# KiCad board mainboard.stretch_bkup.kicad_pcb (continued)
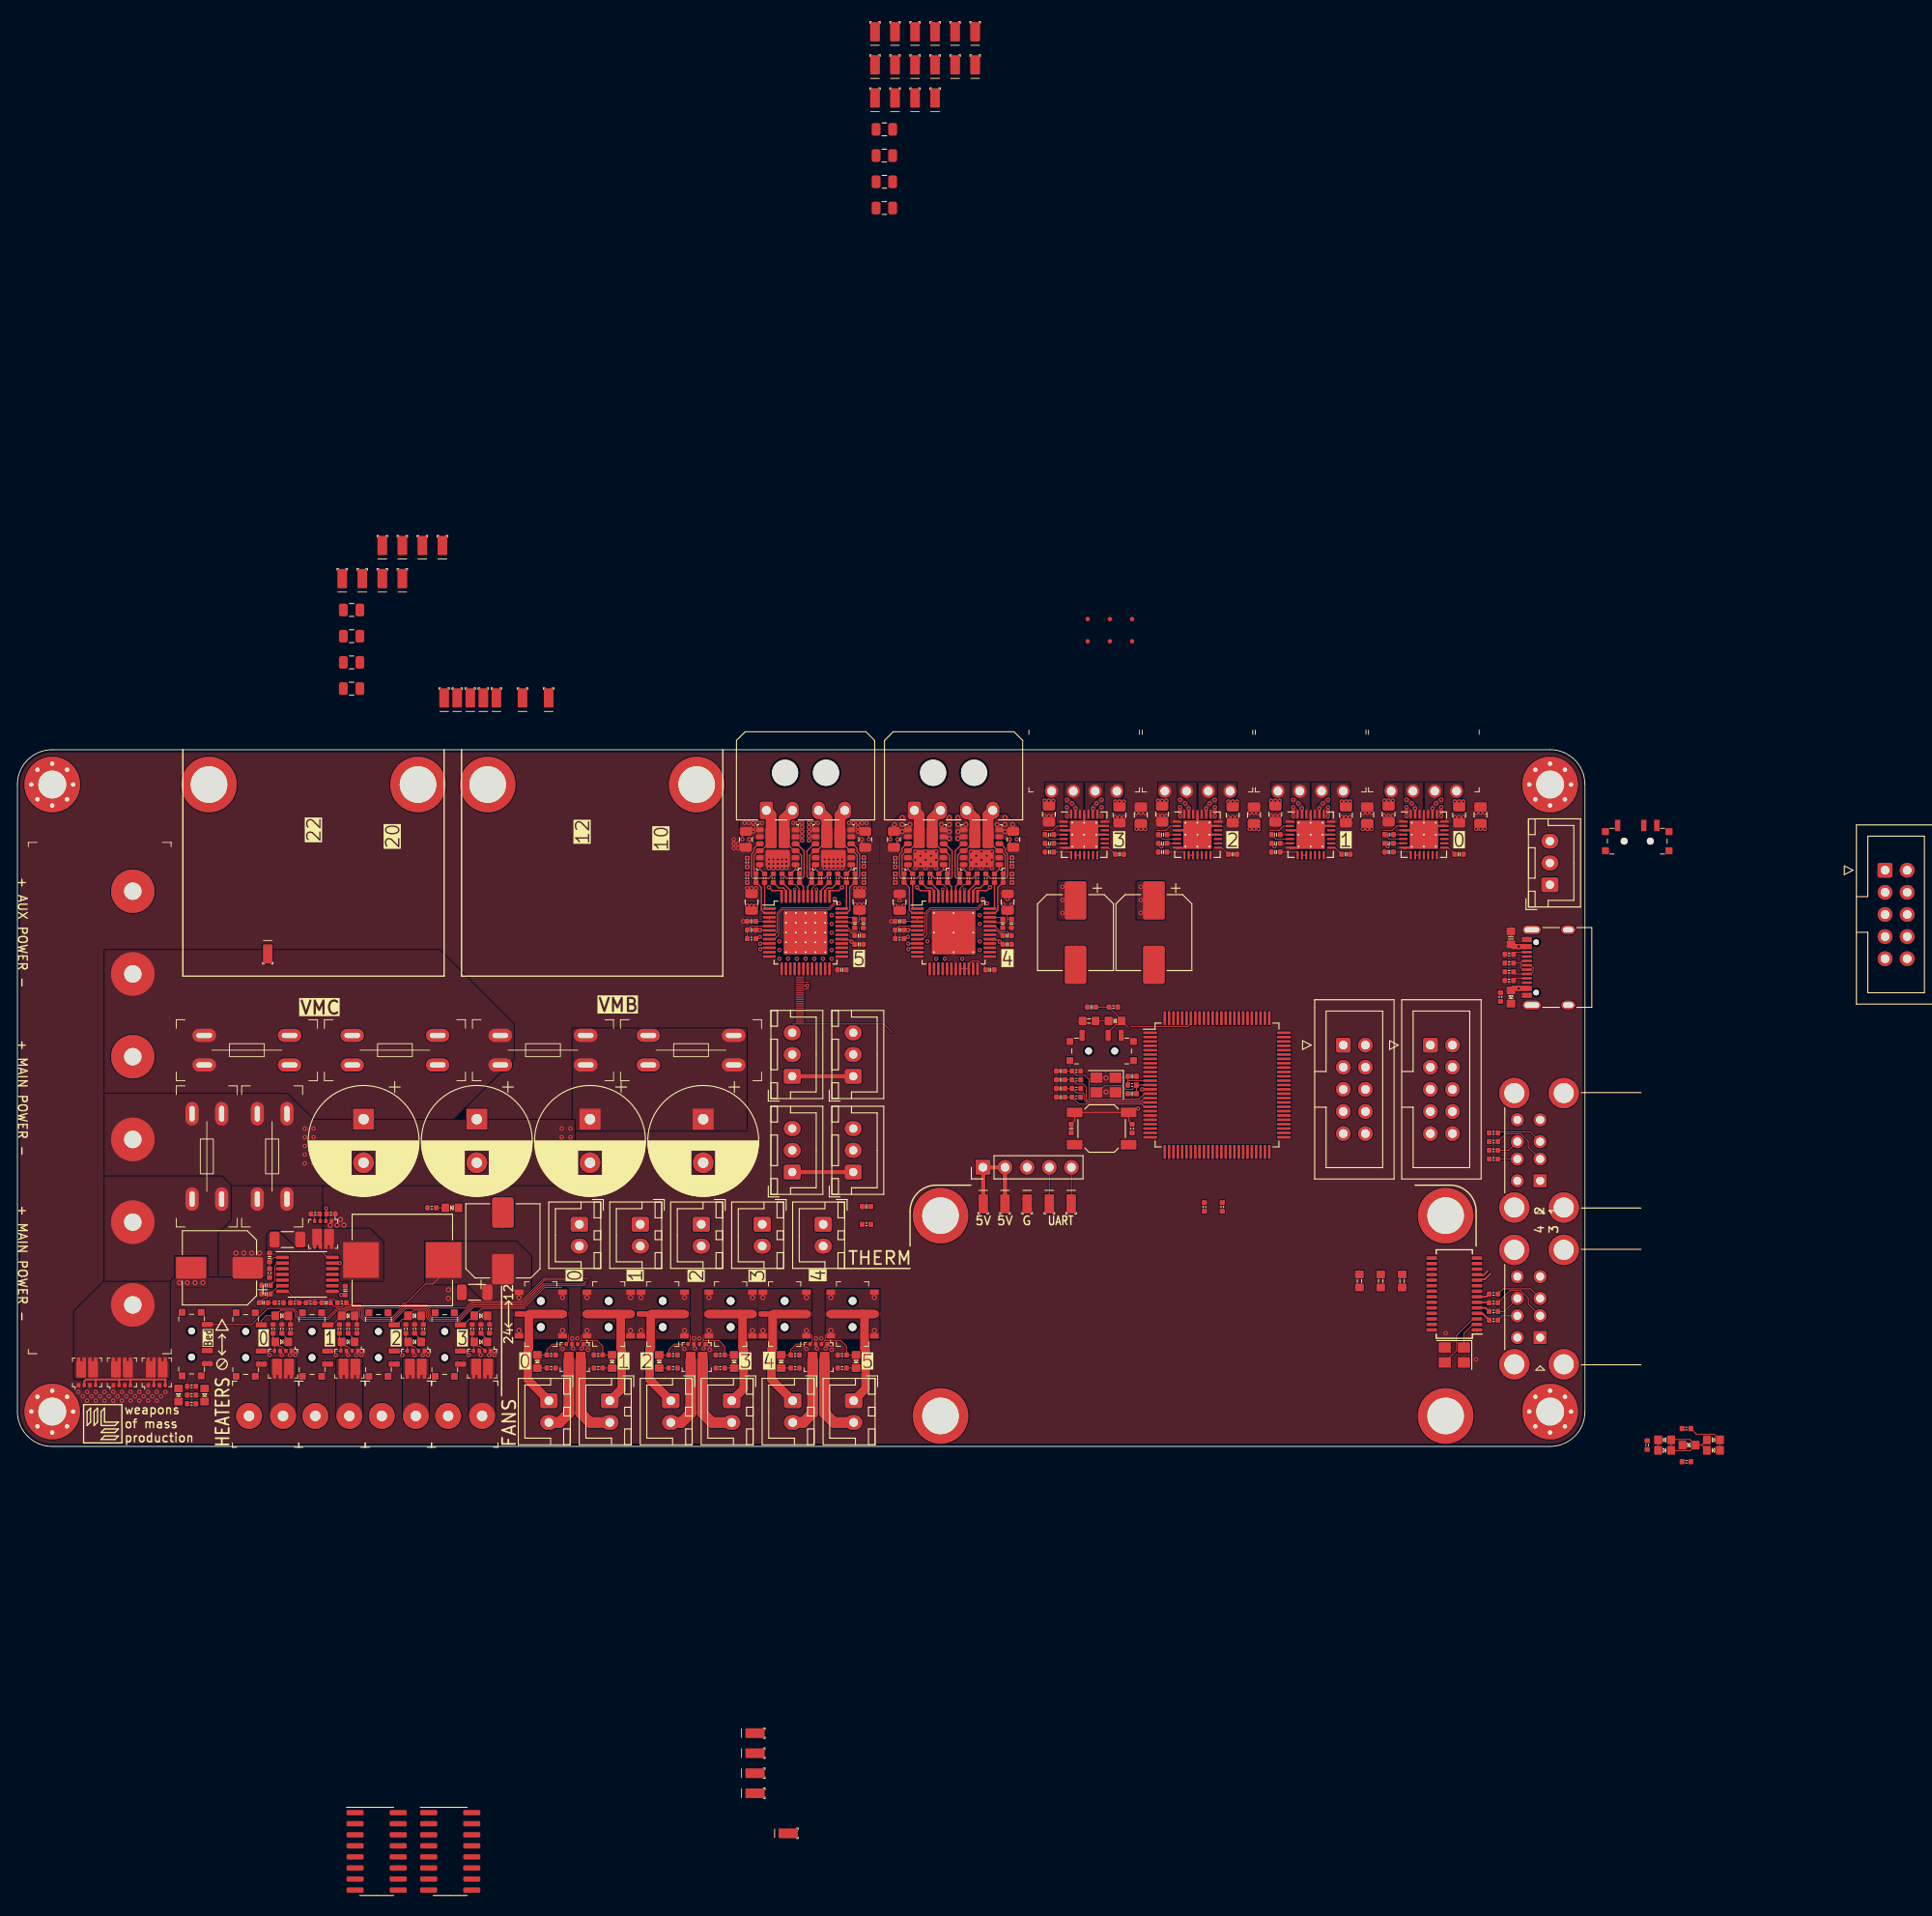
[diagram p0: board, top side]
## Library data of the parts
C1-C5 C15 C21 C34-C71 C73-C77 C79 C80 = -: Description: Unpolarized capacitor, small symbol
C6-C9 C27 C33 = -: Description: Polarized capacitor, small US symbol; Field4: C310848
C10 C12 C16 C18 C22 C24 C28 C30 = -: Description: Unpolarized capacitor, small symbol; LCSC: C1525
C11 C17 C23 C29 = -: Description: Unpolarized capacitor, small symbol; LCSC: C19666
C13 C19 C25 C31 = -: Description: Unpolarized capacitor, small symbol; LCSC: C1532
C14 C20 C26 C32 = -: Description: Unpolarized capacitor, small symbol; LCSC: C15849
C72 C78 = -: Description: Polarized capacitor, small US symbol; LCSC: C178598
D1-D24 = -: Description: Light emitting diode, small symbol
F6 = -: Description: Fuse
FID1-FID6 = -: Description: Fiducial Marker
H1-H4 = -: Description: Mounting Hole without connection
H5 H6 H9-H14 = -: Description: Mounting Hole with connection
J1 = -: Description: USB 2.0-only Type-C Receptacle connector
J2 = -: Description: Generic connector, single row, 01x05, script generated
J3-J6 J24 = -: Description: Generic connector, single row, 01x03, script generated
J7 J8 J12 J14-J16 J23 J25-J28 = -: Description: Generic connector, single row, 01x02, script generated
J9 = -: Description: Generic screw terminal, single row, 01x06, script generated (kicad-library-utils/schlib/autogen/connector/)
J10 J11 J22 = -: Description: Generic connector, double row, 02x05, odd/even pin numbering scheme (row 1 odd numbers, row 2 even numbers), script generated (kicad-library-utils/schlib/autogen/connector/)
J13 J21 = -: Description: USB Type A connector, stacked
J17-J20 = -: Description: Generic screw terminal, single row, 01x02, script generated (kicad-library-utils/schlib/autogen/connector/)
L1 = -: Description: Inductor
M1-M6 = -: Description: 4-wire bipolar stepper motor
Q1-Q11 = -: Description: Dual NMOS transistor, 8 pin package
QA1 QA2 QB1 QB2 = -: LCSC: C460986
R1-R10 R19-R23 R25-R30 R32-R38 R40-R45 R47-R98 R101-R105 = -: Description: Resistor, small symbol
R11-R18 = -: Description: Resistor, small symbol; LCSC: C382279
R24 R31 R39 R46 = -: Description: Resistor
SW1 SW3-SW14 = -: Description: Switch, single pole double throw
SW2 = -: Description: Push button switch, generic, two pins
T1 T4-T13 T16-T29 T32 T33 T36-T50 = -: Description: test point
U1 = -: Description: STMicroelectronics Arm Cortex-M4 MCU, 1024KB flash, 192KB RAM, 168 MHz, 1.8-3.6V, 82 GPIO, LQFP100
U2-U5 = -: Description: Driver for two-phase bipolar stepper motor, 2.0A, SPI, 4.75-46V, QFN-36; LCSC: C115944
U6 U7 = -: Description: 20A Driver for two-phase bipolar stepper motor, SPI, UART, TQFP-48
U8 U9 = -: Description: CMOS Hex Voltage-Level Shifter for TTL-to-CMOS or CMOS-to-CMOS, DIP-16/SOIC-16/TSSOP-16
U10 = -: Description: Terminus Tech USB 2.0 high-speed 4-port hub controller
U11 = -: Description: Onsemi Synchronous PWM Controller
Y1 = -: Description: Four pin crystal, GND on pins 2 and 4
Y2 = -: Description: Four pin crystal, GND on pins 2 and 4, small symbol

## Footprints (pads in the part's own frame, mm; a bottom-side part is the same pattern mirrored in y, then rotated)
0402C
  rrect 0.55x0.6 smd: 1(-0.5,0) 2(0.5,0)
0402R
  rrect 0.55x0.6 smd: 1(-0.5,0) 2(0.5,0)
0603C
  rrect 0.9x1 smd: 1(-0.75,0) 2(0.75,0)
0603LED
  rrect 0.9x1 smd: 1(-0.75,0) 2(0.75,0)
0603R
  rrect 0.9x1 smd: 1(-0.75,0) 2(0.75,0)
AGM308MBP
  rrect 0.4x0.5 smd: 1(-0.975,-1.475) 2(-0.325,-1.475) 3(0.325,-1.475) 4(0.975,-1.475) 5(0.975,1.475) 6(0.325,1.475) 7(-0.325,1.475) 8(-0.975,1.475)
  rrect 1.12x1.88 smd: 5(0.685,0.35) 8(-0.685,0.35)
  rect 0.2x0.2 smd: 6(0.225,1.25) 7(-0.225,1.25)
C_0805_2012Metric
  rrect 1x1.45 smd: 1(-0.95,0) 2(0.95,0)
C_1206_3216Metric
  rrect 1.15x1.8 smd: 1(-1.475,0) 2(1.475,0)
CP_Elec_8x10
  rrect 3.5x2.5 smd: 1(-3.25,0) 2(3.25,0)
CP_Elec_8x10.5
  rrect 4.4x2.5 smd: 1(-3.7,0) 2(3.7,0)
CP_Radial_D12.5mm_P5.00mm
  rect 2.4x2.4 hole 1.2: 1(0,0)
  round 2.4 hole 1.2: 2(5,0)
Crystal_SMD_3225-4Pin_3.2x2.5mm
  rect 1.4x1.2 smd: 1(-1.1,-0.85) 2(1.1,-0.85) 3(1.1,0.85) 4(-1.1,0.85)
DB125-3.81-2P
  round 3 hole 1.2: 1(-1.905,0) 2(2,0)
DBT50G-9.5-6P
  round 5 hole 2: 1(-23.75,0) 2(-14.25,0) 3(-4.75,0) 4(4.75,0) 5(14.25,0) 6(23.75,0)
Fiducial_0.5mm_Mask1mm
  round 0.5 smd: (0,0)
IDC-Header_2x05_P2.54mm_Vertical
  rrect 1.7x1.7 hole 1: 1(0,0)
  round 1.7 hole 1: 2(2.54,0) 3(0,-2.54) 4(2.54,-2.54) 5(0,-5.08) 6(2.54,-5.08) 7(0,-7.62) 8(2.54,-7.62) 9(0,-10.16) 10(2.54,-10.16)
JST_XH_B2B-XH-A_1x02_P2.50mm_Vertical
  rrect 1.7x2 hole 1: 1(0,0)
  oval 1.7x2 hole 1: 2(2.5,0)
JST_XH_B3B-XH-A_1x03_P2.50mm_Vertical
  rrect 1.7x1.95 hole 0.95: 1(0,0)
  oval 1.7x1.95 hole 0.95: 2(2.5,0) 3(5,0)
L_Sunlord_MWSA1004S
  rect 4.1x4.1 smd: 1(-4.75,0) 2(4.75,0)
LGA_Spring
  rrect 0.9x0.9 smd: (0,0) (0,-1.1)
  rrect 1.1x2.2 smd: 1(0,0)
LQFP-100_14x14mm_P0.5mm
  rrect 1.6x0.3 smd: 1(-7.675,6) 2(-7.675,5.5) 3(-7.675,5) 4(-7.675,4.5) 5(-7.675,4) 6(-7.675,3.5) 7(-7.675,3) 8(-7.675,2.5) 9(-7.675,2) 10(-7.675,1.5) 11(-7.675,1) 12(-7.675,0.5) 13(-7.675,0) 14(-7.675,-0.5) 15(-7.675,-1) 16(-7.675,-1.5) 17(-7.675,-2) 18(-7.675,-2.5) 19(-7.675,-3) 20(-7.675,-3.5) 21(-7.675,-4) 22(-7.675,-4.5) 23(-7.675,-5) 24(-7.675,-5.5) 25(-7.675,-6) 51(7.675,-6) 52(7.675,-5.5) 53(7.675,-5) 54(7.675,-4.5) 55(7.675,-4) 56(7.675,-3.5) 57(7.675,-3) 58(7.675,-2.5) 59(7.675,-2) 60(7.675,-1.5) 61(7.675,-1) 62(7.675,-0.5) 63(7.675,0) 64(7.675,0.5) 65(7.675,1) 66(7.675,1.5) 67(7.675,2) 68(7.675,2.5) 69(7.675,3) 70(7.675,3.5) 71(7.675,4) 72(7.675,4.5) 73(7.675,5) 74(7.675,5.5) 75(7.675,6)
  rrect 0.3x1.6 smd: 26(-6,-7.675) 27(-5.5,-7.675) 28(-5,-7.675) 29(-4.5,-7.675) 30(-4,-7.675) 31(-3.5,-7.675) 32(-3,-7.675) 33(-2.5,-7.675) 34(-2,-7.675) 35(-1.5,-7.675) 36(-1,-7.675) 37(-0.5,-7.675) 38(0,-7.675) 39(0.5,-7.675) 40(1,-7.675) 41(1.5,-7.675) 42(2,-7.675) 43(2.5,-7.675) 44(3,-7.675) 45(3.5,-7.675) 46(4,-7.675) 47(4.5,-7.675) 48(5,-7.675) 49(5.5,-7.675) 50(6,-7.675) 76(6,7.675) 77(5.5,7.675) 78(5,7.675) 79(4.5,7.675) 80(4,7.675) 81(3.5,7.675) 82(3,7.675) 83(2.5,7.675) 84(2,7.675) 85(1.5,7.675) 86(1,7.675) 87(0.5,7.675) 88(0,7.675) 89(-0.5,7.675) 90(-1,7.675) 91(-1.5,7.675) 92(-2,7.675) 93(-2.5,7.675) 94(-3,7.675) 95(-3.5,7.675) 96(-4,7.675) 97(-4.5,7.675) 98(-5,7.675) 99(-5.5,7.675) 100(-6,7.675)
M3_M2.5_PCB_Nut
  round 4.5 hole 4.2: 1(0,0)
  round 6.4 smd: 1(0,0)
Molex_Micro-Fit_3.0_43650-0400_1x04_P3.00mm_Horizontal
  round 3 hole 3 unplated: (2.15,4.32) (6.85,4.32)
  rrect 1.5x2.02 hole 1.02: 1(0,0)
  oval 1.5x2.02 hole 1.02: 2(3,0) 3(6,0) 4(9,0)
MountingHole_3.2mm_M3_Pad_Via
  round 0.8 hole 0.5: 1(-2.4,0) 1(-1.697,1.697) 1(-1.697,-1.697) 1(0,2.4) 1(0,-2.4) 1(1.697,1.697) 1(1.697,-1.697) 1(2.4,0)
  round 6.4 hole 3.2: 1(0,0)
MS-22C01_SPDT
  round 1 hole 0.9 unplated: (0,1.5) (0,-1.5)
  rrect 1x0.6 smd: 1(-2.5,2.5) 1(2.5,2.5) 2(-2.5,0) 2(2.5,0) 3(-2.5,-2.5) 3(2.5,-2.5)
MSS12C02-LS
  rrect 0.8x0.8 smd: (-3.65,1.1) (-3.65,-1.1) (3.65,1.1) (3.65,-1.1)
  round 0.9 hole 0.8 unplated: (-1.5,0) (1.5,0)
  rrect 0.6x1.3 smd: 1(-2.25,1.8) 2(0.75,1.8) 3(2.25,1.8)
PinHeader_1x05_P2.54mm_Vertical
  rect 1.7x1.7 hole 1: 1(0,0)
  oval 1.7x1.7 hole 1: 2(0,-2.54) 3(0,-5.08) 4(0,-7.62) 5(0,-10.16)
R_0805_2012Metric
  rrect 1.025x1.4 smd: 1(-0.912,0) 2(0.912,0)
SOIC-16_3.9x9.9mm_P1.27mm
  rrect 1.95x0.6 smd: 1(-2.475,4.445) 2(-2.475,3.175) 3(-2.475,1.905) 4(-2.475,0.635) 5(-2.475,-0.635) 6(-2.475,-1.905) 7(-2.475,-3.175) 8(-2.475,-4.445) 9(2.475,-4.445) 10(2.475,-3.175) 11(2.475,-1.905) 12(2.475,-0.635) 13(2.475,0.635) 14(2.475,1.905) 15(2.475,3.175) 16(2.475,4.445)
SSOP-28_3.9x9.9mm_P0.635mm
  rect 1.2x0.4 smd: 1(-2.6,4.128) 2(-2.6,3.493) 3(-2.6,2.857) 4(-2.6,2.223) 5(-2.6,1.587) 6(-2.6,0.953) 7(-2.6,0.318) 8(-2.6,-0.318) 9(-2.6,-0.953) 10(-2.6,-1.587) 11(-2.6,-2.223) 12(-2.6,-2.857) 13(-2.6,-3.493) 14(-2.6,-4.128) 15(2.6,-4.128) 16(2.6,-3.493) 17(2.6,-2.857) 18(2.6,-2.223) 19(2.6,-1.587) 20(2.6,-0.953) 21(2.6,-0.318) 22(2.6,0.318) 23(2.6,0.953) 24(2.6,1.587) 25(2.6,2.223) 26(2.6,2.857) 27(2.6,3.493) 28(2.6,4.128)
SW_SPST_SKQG_WithStem
  rect 1.8x1.1 smd: 1(-3.1,1.85) 1(3.1,1.85) 2(-3.1,-1.85) 2(3.1,-1.85)
TQFN-28-1EP_5x5mm_P0.5mm_EP3.25x3.25mm_ThermalVias
  rrect 1.41x1.41 smd: (-0.81,0.81) (-0.81,-0.81) (0.81,0.81) (0.81,-0.81)
  rrect 0.975x0.25 smd: 1(-2.362,1.5) 2(-2.362,1) 3(-2.362,0.5) 4(-2.362,0) 5(-2.362,-0.5) 6(-2.362,-1) 7(-2.362,-1.5) 15(2.362,-1.5) 16(2.362,-1) 17(2.362,-0.5) 18(2.362,0) 19(2.362,0.5) 20(2.362,1) 21(2.362,1.5)
  rrect 0.25x0.975 smd: 8(-1.5,-2.362) 9(-1,-2.362) 10(-0.5,-2.362) 11(0,-2.362) 12(0.5,-2.362) 13(1,-2.362) 14(1.5,-2.362) 22(1.5,2.362) 23(1,2.362) 24(0.5,2.362) 25(0,2.362) 26(-0.5,2.362) 27(-1,2.362) 28(-1.5,2.362)
  round 0.5 hole 0.2: 29(-1.375,1.375) 29(-1.375,0) 29(-1.375,-1.375) 29(0,1.375) 29(0,0) 29(0,-1.375) 29(1.375,1.375) 29(1.375,0) 29(1.375,-1.375)
  rect 3.25x3.25 smd: 29(0,0)
  rect 3.25x3.25 smd far side: 29(0,0)
TQFP-48-1EP_7x7mm_P0.5mm_EP5x5mm_ThermalVias
  custom 1.008x1.008 smd: (-1.688,1.688) (-1.688,0.562) (-1.688,-0.562) (-1.688,-1.688) (-0.562,1.688) (-0.562,0.562) (-0.562,-0.562) (-0.562,-1.688) (0.562,1.688) (0.562,0.562) (0.562,-0.562) (0.562,-1.688) (1.688,1.688) (1.688,0.562) (1.688,-0.562) (1.688,-1.688)
  rrect 1.475x0.3 smd: 1(-4.162,2.75) 2(-4.162,2.25) 3(-4.162,1.75) 4(-4.162,1.25) 5(-4.162,0.75) 6(-4.162,0.25) 7(-4.162,-0.25) 8(-4.162,-0.75) 9(-4.162,-1.25) 10(-4.162,-1.75) 11(-4.162,-2.25) 12(-4.162,-2.75) 25(4.162,-2.75) 26(4.162,-2.25) 27(4.162,-1.75) 28(4.162,-1.25) 29(4.162,-0.75) 30(4.162,-0.25) 31(4.162,0.25) 32(4.162,0.75) 33(4.162,1.25) 34(4.162,1.75) 35(4.162,2.25) 36(4.162,2.75)
  rrect 0.3x1.475 smd: 13(-2.75,-4.162) 14(-2.25,-4.162) 15(-1.75,-4.162) 16(-1.25,-4.162) 17(-0.75,-4.162) 18(-0.25,-4.162) 19(0.25,-4.162) 20(0.75,-4.162) 21(1.25,-4.162) 22(1.75,-4.162) 23(2.25,-4.162) 24(2.75,-4.162) 37(2.75,4.162) 38(2.25,4.162) 39(1.75,4.162) 40(1.25,4.162) 41(0.75,4.162) 42(0.25,4.162) 43(-0.25,4.162) 44(-0.75,4.162) 45(-1.25,4.162) 46(-1.75,4.162) 47(-2.25,4.162) 48(-2.75,4.162)
  round 0.5 hole 0.2: 49(-2.25,2.25) 49(-2.25,0) 49(-2.25,-2.25) 49(0,2.25) 49(0,0) 49(0,-2.25) 49(2.25,2.25) 49(2.25,0) 49(2.25,-2.25)
  rect 5x5 smd: 49(0,0)
TQFP-48-1EP_7x7mm_P0.5mm_EP5x5mm_ThermalVias#2
  custom 1.008x1.008 smd: (-1.688,1.688) (-1.688,0.562) (-1.688,-0.562) (-1.688,-1.688) (-0.562,1.688) (-0.562,0.562) (-0.562,-0.562) (-0.562,-1.688) (0.562,1.688) (0.562,0.562) (0.562,-0.562) (0.562,-1.688) (1.688,1.688) (1.688,0.562) (1.688,-0.562) (1.688,-1.688)
  rrect 1.475x0.3 smd: 1(-4.162,2.75) 2(-4.162,2.25) 3(-4.162,1.75) 4(-4.162,1.25) 5(-4.162,0.75) 6(-4.162,0.25) 7(-4.162,-0.25) 8(-4.162,-0.75) 9(-4.162,-1.25) 10(-4.162,-1.75) 11(-4.162,-2.25) 12(-4.162,-2.75) 25(4.162,-2.75) 26(4.162,-2.25) 27(4.162,-1.75) 28(4.162,-1.25) 29(4.162,-0.75) 30(4.162,-0.25) 31(4.162,0.25) 32(4.162,0.75) 33(4.162,1.25) 34(4.162,1.75) 35(4.162,2.25) 36(4.162,2.75)
  rrect 0.3x1.475 smd: 13(-2.75,-4.162) 14(-2.25,-4.162) 15(-1.75,-4.162) 16(-1.25,-4.162) 17(-0.75,-4.162) 18(-0.25,-4.162) 19(0.25,-4.162) 20(0.75,-4.162) 21(1.25,-4.162) 22(1.75,-4.162) 23(2.25,-4.162) 24(2.75,-4.162) 37(2.75,4.162) 38(2.25,4.162) 39(1.75,4.162) 40(1.25,4.162) 41(0.75,4.162) 42(0.25,4.162) 43(-0.25,4.162) 44(-0.75,4.162) 45(-1.25,4.162) 46(-1.75,4.162) 47(-2.25,4.162) 48(-2.75,4.162)
  round 0.5 hole 0.2: 49(-2.25,2.25) 49(-2.25,1.125) 49(-2.25,0) 49(-2.25,-1.125) 49(-2.25,-2.25) 49(-1.125,2.25) 49(-1.125,1.125) 49(-1.125,0) 49(-1.125,-1.125) 49(-1.125,-2.25) 49(0,2.25) 49(0,1.125) 49(0,0) 49(0,-1.125) 49(0,-2.25) 49(1.125,2.25) 49(1.125,1.125) 49(1.125,0) 49(1.125,-1.125) 49(1.125,-2.25) 49(2.25,2.25) 49(2.25,1.125) 49(2.25,0) 49(2.25,-1.125) 49(2.25,-2.25)
  rect 5x5 smd: 49(0,0)
TSSOP-14_4.4x5mm_P0.65mm
  rrect 1.475x0.4 smd: 1(-2.862,1.95) 2(-2.862,1.3) 3(-2.862,0.65) 4(-2.862,0) 5(-2.862,-0.65) 6(-2.862,-1.3) 7(-2.862,-1.95) 8(2.862,-1.95) 9(2.862,-1.3) 10(2.862,-0.65) 11(2.862,0) 12(2.862,0.65) 13(2.862,1.3) 14(2.862,1.95)
USB_A_CUI_UJ2-ADH-TH_Horizontal_Stacked
  rect 1.5x1.5 hole 0.92: 1(0,0)
  round 1.5 hole 0.92: 2(0,-2.5) 3(0,-4.5) 4(0,-7) 5(2.62,0) 6(2.62,-2.5) 7(2.62,-4.5) 8(2.62,-7)
  round 3.5 hole 2.3: 9(-2.71,3.07) 9(-2.71,-10.07) 9(2.97,3.07) 9(2.97,-10.07)
USB_C_Receptacle_XKB_U262-16XN-4BVC11
  round 0.65 hole 0.65 unplated: (-2.89,2.605) (2.89,2.605)
  rect 0.3x1.15 smd: A1(-3.35,3.67) A4(-2.55,3.67) A5(-1.25,3.67) A6(-0.25,3.67) A7(0.25,3.67) A8(1.25,3.67) A9(2.55,3.67) A12(3.35,3.67) B1(3.05,3.67) B4(2.25,3.67) B5(1.75,3.67) B6(0.75,3.67) B7(-0.75,3.67) B8(-1.75,3.67) B9(-2.25,3.67) B12(-3.05,3.67)
  oval 1x2.1 hole 0.6x1.7: S1(-4.32,3.105) S1(4.32,3.105)
  oval 1x1.6 hole 0.6x1.2: S1(-4.32,-1.075) S1(4.32,-1.075)
V-DFN5045-12-Type-B
  rrect 0.9x0.6 smd: 1(-2.05,2) 2(-2.05,1.2) 3(-2.05,0.4) 4(-2.05,-0.4) 5(-2.05,-1.2) 6(-2.05,-2) 7(2.05,-2) 8(2.05,-1.2) 9(2.05,-0.4) 10(2.05,0.4) 11(2.05,1.2) 12(2.05,2)
  rrect 2.8x2 smd: P1(0,1.3)
  rrect 1.3x2.4 smd: P2(-0.75,-1.1) P3(0.75,-1.1)
XF-508P-B
  oval 1.5x2.7 hole 0.6x1.8: 1(-1.7,-4.9) 1(1.7,-4.9) 2(-1.7,4.9) 2(1.7,4.9)
XKB_X8821WR-04S
  round 1.5 hole 1: 1(3.75,0) 2(1.25,0) 3(-1.25,0) 4(-3.75,0)

## Nets
+3.3V: C10.1 C15.2 C16.1 C21.2 C22.1 C28.1 J3.1 J4.1 J5.1 J6.1 R2.2 R88.2 R101.2 R102.2 R103.2 R104.2 R105.2 SW14.3 T8.1 T40.1 U1.6 U1.11 U1.19 U1.22 U1.28 U1.50 U1.75 U1.100 U2.9 U2.10 U2.15 U3.9 U3.10 U3.15 U4.9 U4.10 U4.15 U5.9 U5.10 U5.15 U6.20 U6.21 U6.22 U7.20 U7.21 U7.22 U10.19 U10.21 U10.26
+5V: J2.1 J2.2 J13.1 J13.5 J21.1 J21.5 T16.1 T17.1
+12V: C36.2 C48.2 C73.1 C77.2 C78.1 D24.2 L1.2 R93.1 SW3.1 SW4.3 SW5.1 SW6.3 SW7.1 SW8.3 T1.1 T33.1 U6.3 U6.4 U7.3 U7.4 U8.16 U9.16
+24V: C6.1 C8.1 C12.2 C14.2 C18.2 C20.2 C24.2 C26.2 C30.2 C32.2 C72.1 C74.2 F1.2 J17.1 J18.1 J19.1 J20.1 Q11.5 Q11.6 SW3.3 SW4.1 SW5.3 SW6.1 SW7.3 SW8.1 U2.22 U2.28 U3.22 U3.28 U4.22 U4.28 U5.22 U5.28 U11.14
+48V: F3.1 F5.1 J9.2
/Pi Zero + USB Hub/5VDet: R89.2 T22.1 U10.18
/VBUS: C5.1 D1.2 J1.A4 J1.A9 J1.B4 J1.B9
GND: C1.1 C2.1 C3.1 C4.1 C5.2 C6.2 C7.2 C8.2 C9.2 C10.2 C11.1 C14.1 C15.1 C16.2 C17.1 C20.1 C21.1 C22.2 C23.1 C26.1 C27.2 C28.2 C29.1 C32.1 C33.2 C36.1 C37.1 C38.1 C39.2 C44.2 C45.2 C48.1 C49.1 C50.1 C51.2 C56.2 C57.2 C58.2 C59.2 C60.2 C61.2 C62.2 C63.2 C64.2 C65.2 C67.1 C68.1 C69.1 C70.1 C72.2 C74.1 C75.1 C76.1 C77.1 C78.2 C79.1 C80.1 H6.1 H10.1 H11.1 H12.1 H13.1 H14.1 J1.A1 J1.A12 J1.B1 J1.B12 J1.S1 J2.3 J3.2 J4.2 J5.2 J6.2 J9.1 J9.3 J13.4 J13.8 J13.9 J21.4 J21.8 J21.9 J23.2 J25.2 J26.2 J27.2 J28.2 Q1.1 Q1.3 Q2.1 Q2.3 Q3.1 Q3.3 Q4.1 Q4.3 Q5.1 Q5.3 Q6.1 Q6.3 Q7.1 Q7.3 Q8.1 Q8.3 Q9.1 Q9.3 Q10.1 Q10.3 Q11.1 R1.2 R6.1 R7.1 R8.1 R10.1 R11.1 R12.1 R13.1 R14.1 R15.1 R16.1 R17.1 R18.1 R23.1 R24.2 R30.1 R31.2 R38.1 R39.2 R45.1 R46.2 R49.2 R50.2 R51.2 R52.2 R53.2 R54.2 R55.2 R56.2 R57.2 R58.2 R59.2 R60.2 R61.2 R62.2 R63.2 R64.2 R65.2 R66.2 R67.2 R68.2 R69.2 R70.2 R71.2 R72.2 R73.2 R75.2 R76.2 R77.2 R89.1 R90.1 R92.2 R94.2 R95.1 R96.1 R97.1 SW1.3 SW2.1 SW9.3 SW10.3 SW11.3 SW12.3 SW14.1 T5.1 T10.1 T18.1 T21.1 T25.1 T26.1 T37.1 T43.1 T44.1 U1.10 U1.20 U1.27 U1.74 U1.99 U2.3 U2.7 U2.18 U2.20 U2.25 U2.29 U3.3 U3.7 U3.18 U3.20 U3.25 U3.29 U4.3 U4.7 U4.18 U4.20 U4.25 U4.29 U5.3 U5.7 U5.18 U5.20 U5.25 U5.29 U6.6 U6.11 U6.19 U6.30 U6.49 U7.6 U7.11 U7.19 U7.30 U7.49 U8.8 U9.8 U10.1 U11.8 Y1.2 Y1.4 Y2.2 Y2.4
/_{M4}Dir: U6.18
/_{M4}Step: U6.17
/_{M5}Dir: U7.18
/_{M5}Step: U7.17
/_{M10}Dir: T12.1
/_{M10}Step: T11.1
/_{M12}Dir: T28.1
/_{M12}Step: T27.1
/_{M20}Dir: T48.1
/_{M20}Step: T46.1
/_{M22}Dir: T47.1
/_{M22}Step: T45.1
/Bed_Gate: D12.2 SW9.1 U9.15
/Bed_H+: F6.1 J9.5
/Bed_H-: J9.6 Q8.5 Q8.6 Q8.7 Q8.8 Q9.5 Q9.6 Q9.7 Q9.8 Q10.5 Q10.6 Q10.7 Q10.8
/BG: D18.2 Q8.2 Q8.4 Q9.2 Q9.4 Q10.2 Q10.4 R77.1 SW9.2
/BOOT0: C1.2 D23.2 R1.1 SW14.2 U1.94
/ES0: J3.3
/ES1: J4.3
/ES2: J5.3
/ES3: J6.3
/Fan0_Gate: D6.2 Q1.4 R60.1 U8.2
/Fan1_Gate: D3.2 Q1.2 R54.1 U8.4
/Fan2_Gate: D5.2 Q2.4 R58.1 U8.6
/Fan3_Gate: D2.2 Q2.2 R51.1 U8.10
/Fan4_Gate: D7.2 Q3.4 R62.1 U8.12
/Fan5_Gate: D4.2 Q3.2 R56.1 U8.15
/HE0_Gate: D14.2 SW11.1 U9.2
/HE1_Gate: D13.2 SW10.1 U9.4
/HE2_Gate: D15.2 SW12.1 U9.6
/HE3_Gate: D11.2 SW1.1 U9.10
/M0_~{EN}: U2.2
/M1_~{EN}: U3.2
/M2_~{EN}: U4.2
/M3_~{EN}: U5.2
/MISO_{1}: T6.1 T38.1 U1.31 U6.15 U7.15
/MOSI_{1}: T7.1 T39.1 U1.32 U6.16 U7.16
/Motor 0 (TMC2208)/A1: M1.2 U2.24
/Motor 0 (TMC2208)/A2: M1.1 U2.21
/Motor 0 (TMC2208)/B1: M1.3 U2.26
/Motor 0 (TMC2208)/B2: M1.4 U2.1
/Motor 0 (TMC2208)/BRA: R11.2 U2.23
/Motor 0 (TMC2208)/BRB: R12.2 U2.27
/Motor 0 (TMC2208)/Clk: U2.13
/Motor 0 (TMC2208)/Diag: U2.11
/Motor 0 (TMC2208)/Dir: U2.19
/Motor 0 (TMC2208)/Index: U2.12
/Motor 0 (TMC2208)/Step: U2.16
/Motor 0 (TMC2208)/UART: U2.14
/Motor 0 (TMC2208)/VRef: U2.17
/Motor 1 (TMC2208)/A1: M2.2 U3.24
/Motor 1 (TMC2208)/A2: M2.1 U3.21
/Motor 1 (TMC2208)/B1: M2.3 U3.26
/Motor 1 (TMC2208)/B2: M2.4 U3.1
/Motor 1 (TMC2208)/BRA: R13.2 U3.23